# Altium PCB 190909 PCB (INITIAL).PcbDoc (part 1 of 2)
Units mil, origin at the board's own origin, x right, y up, seen from the top; angles counter-clockwise.
Board outline 5629.92 x 3740.16 mil, 4 copper layers (Top Layer, Int1 (GND), Int2 (PWR), Bottom Layer), stack 53.912 mil thick; 160 components, 136 nets, 615 pads, 194 vias.
Unrouted connection lines stored in the file: 73.
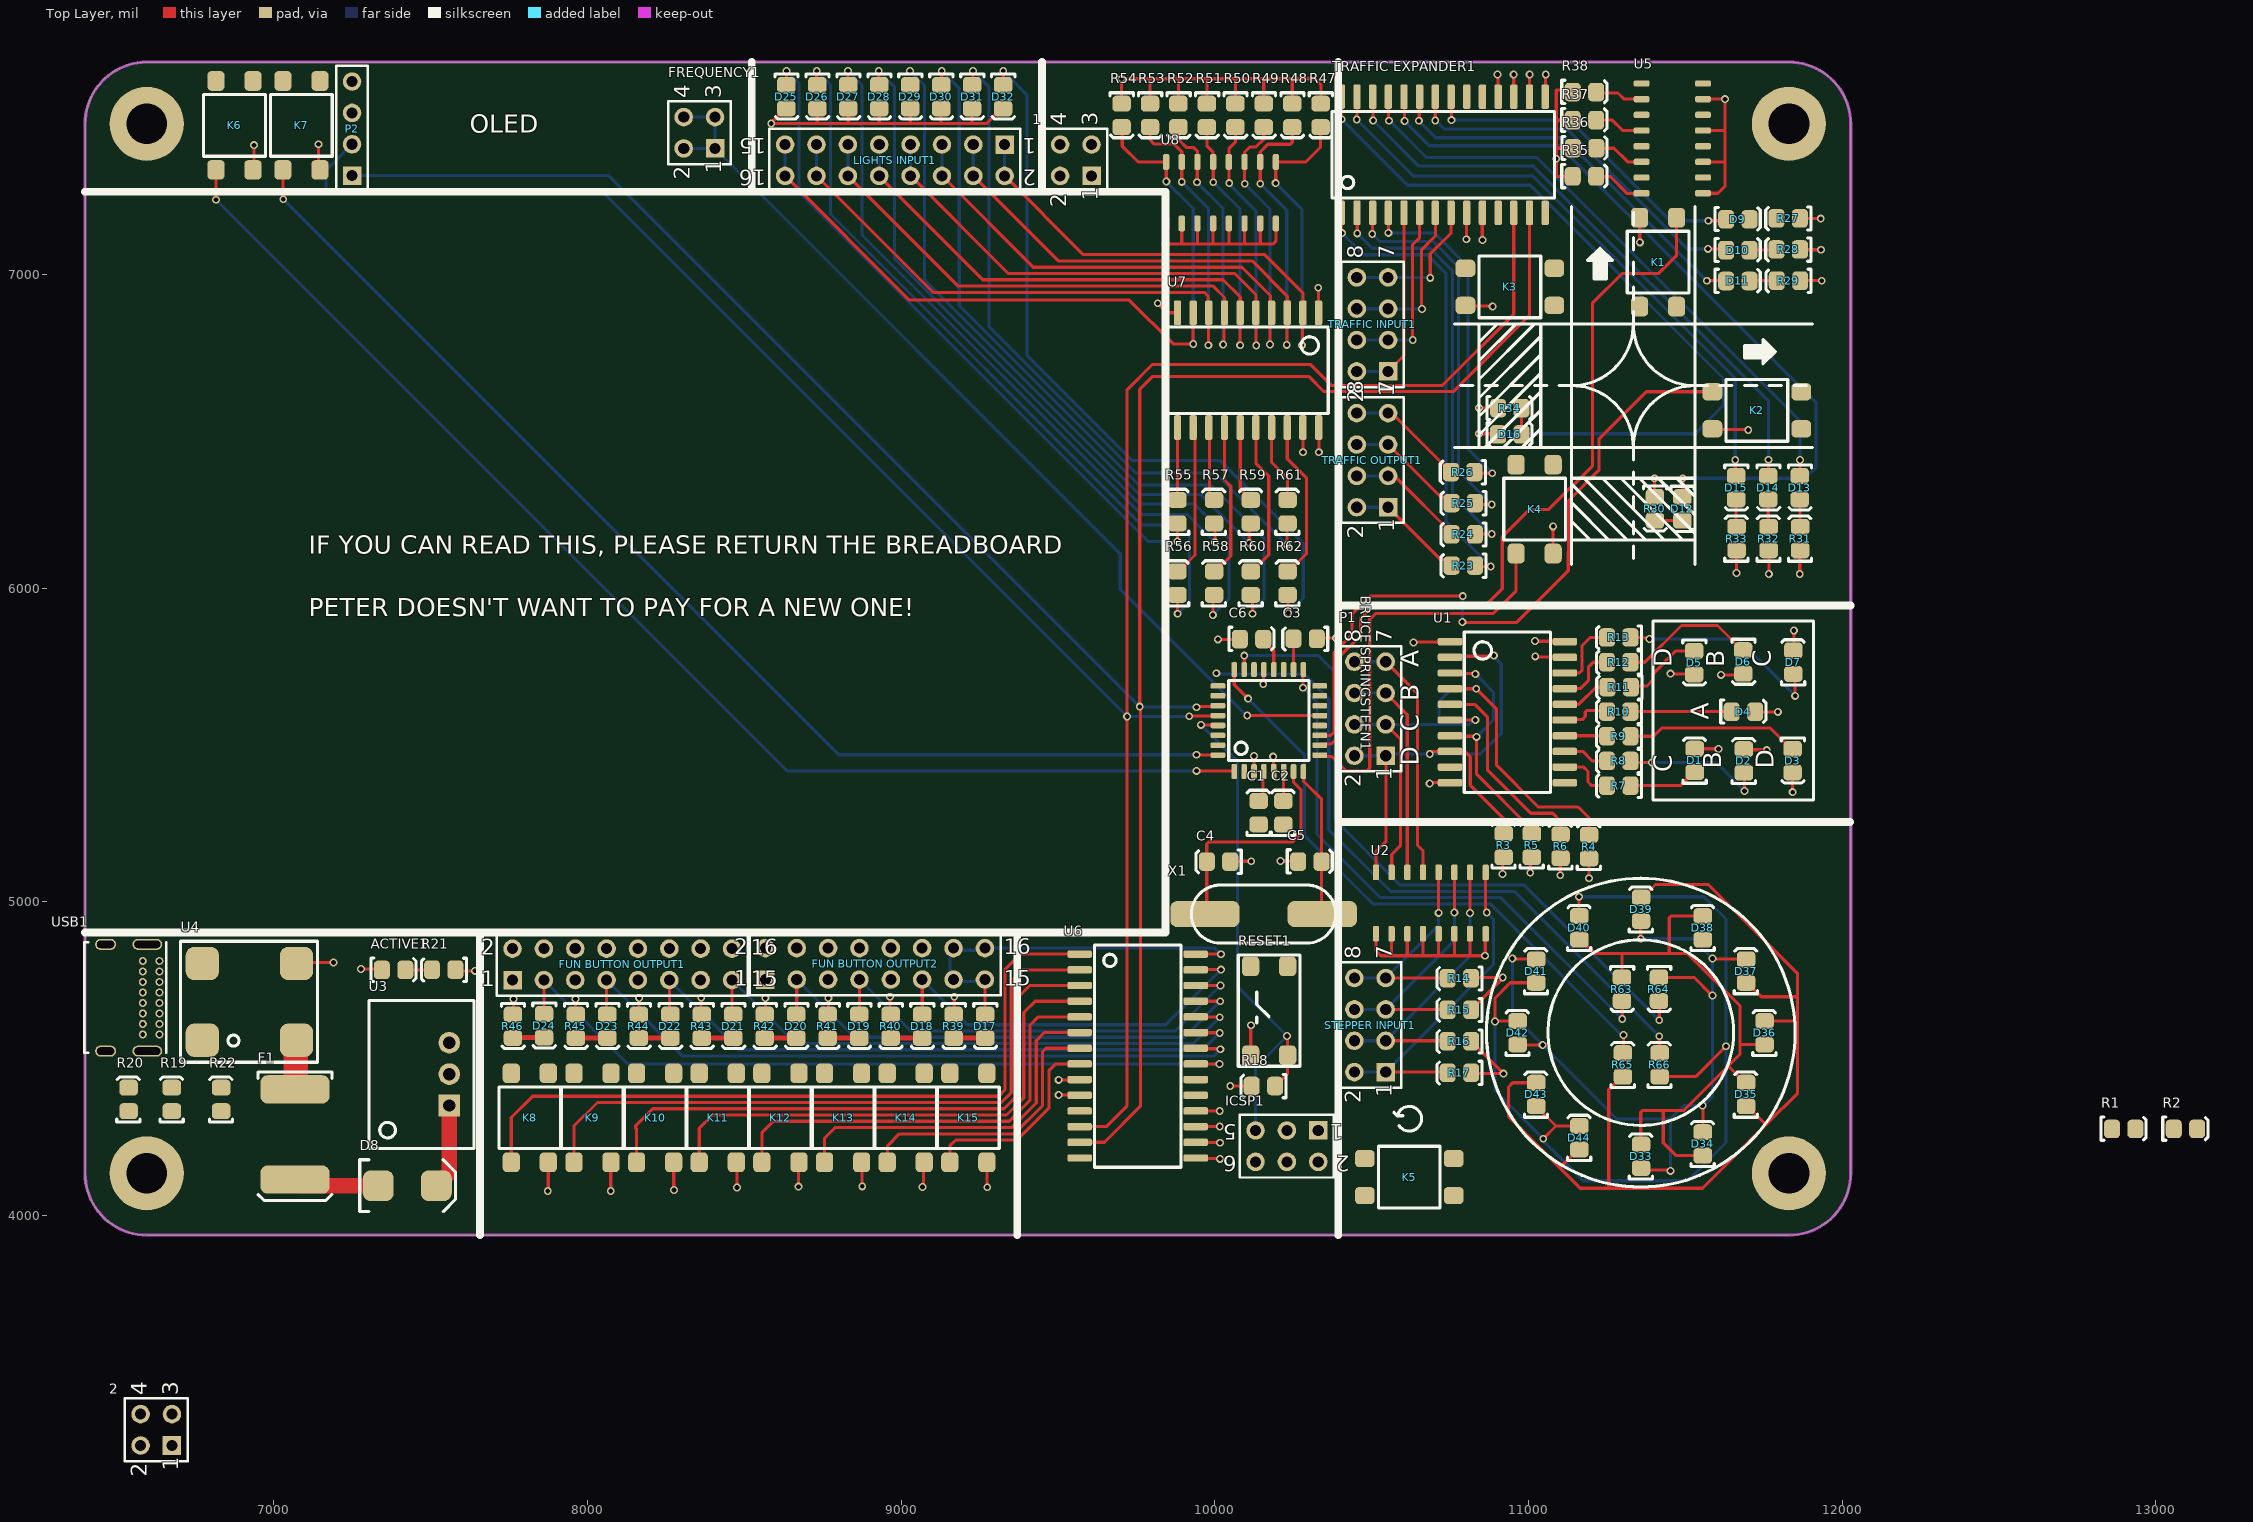
[diagram p0: Top Layer view]
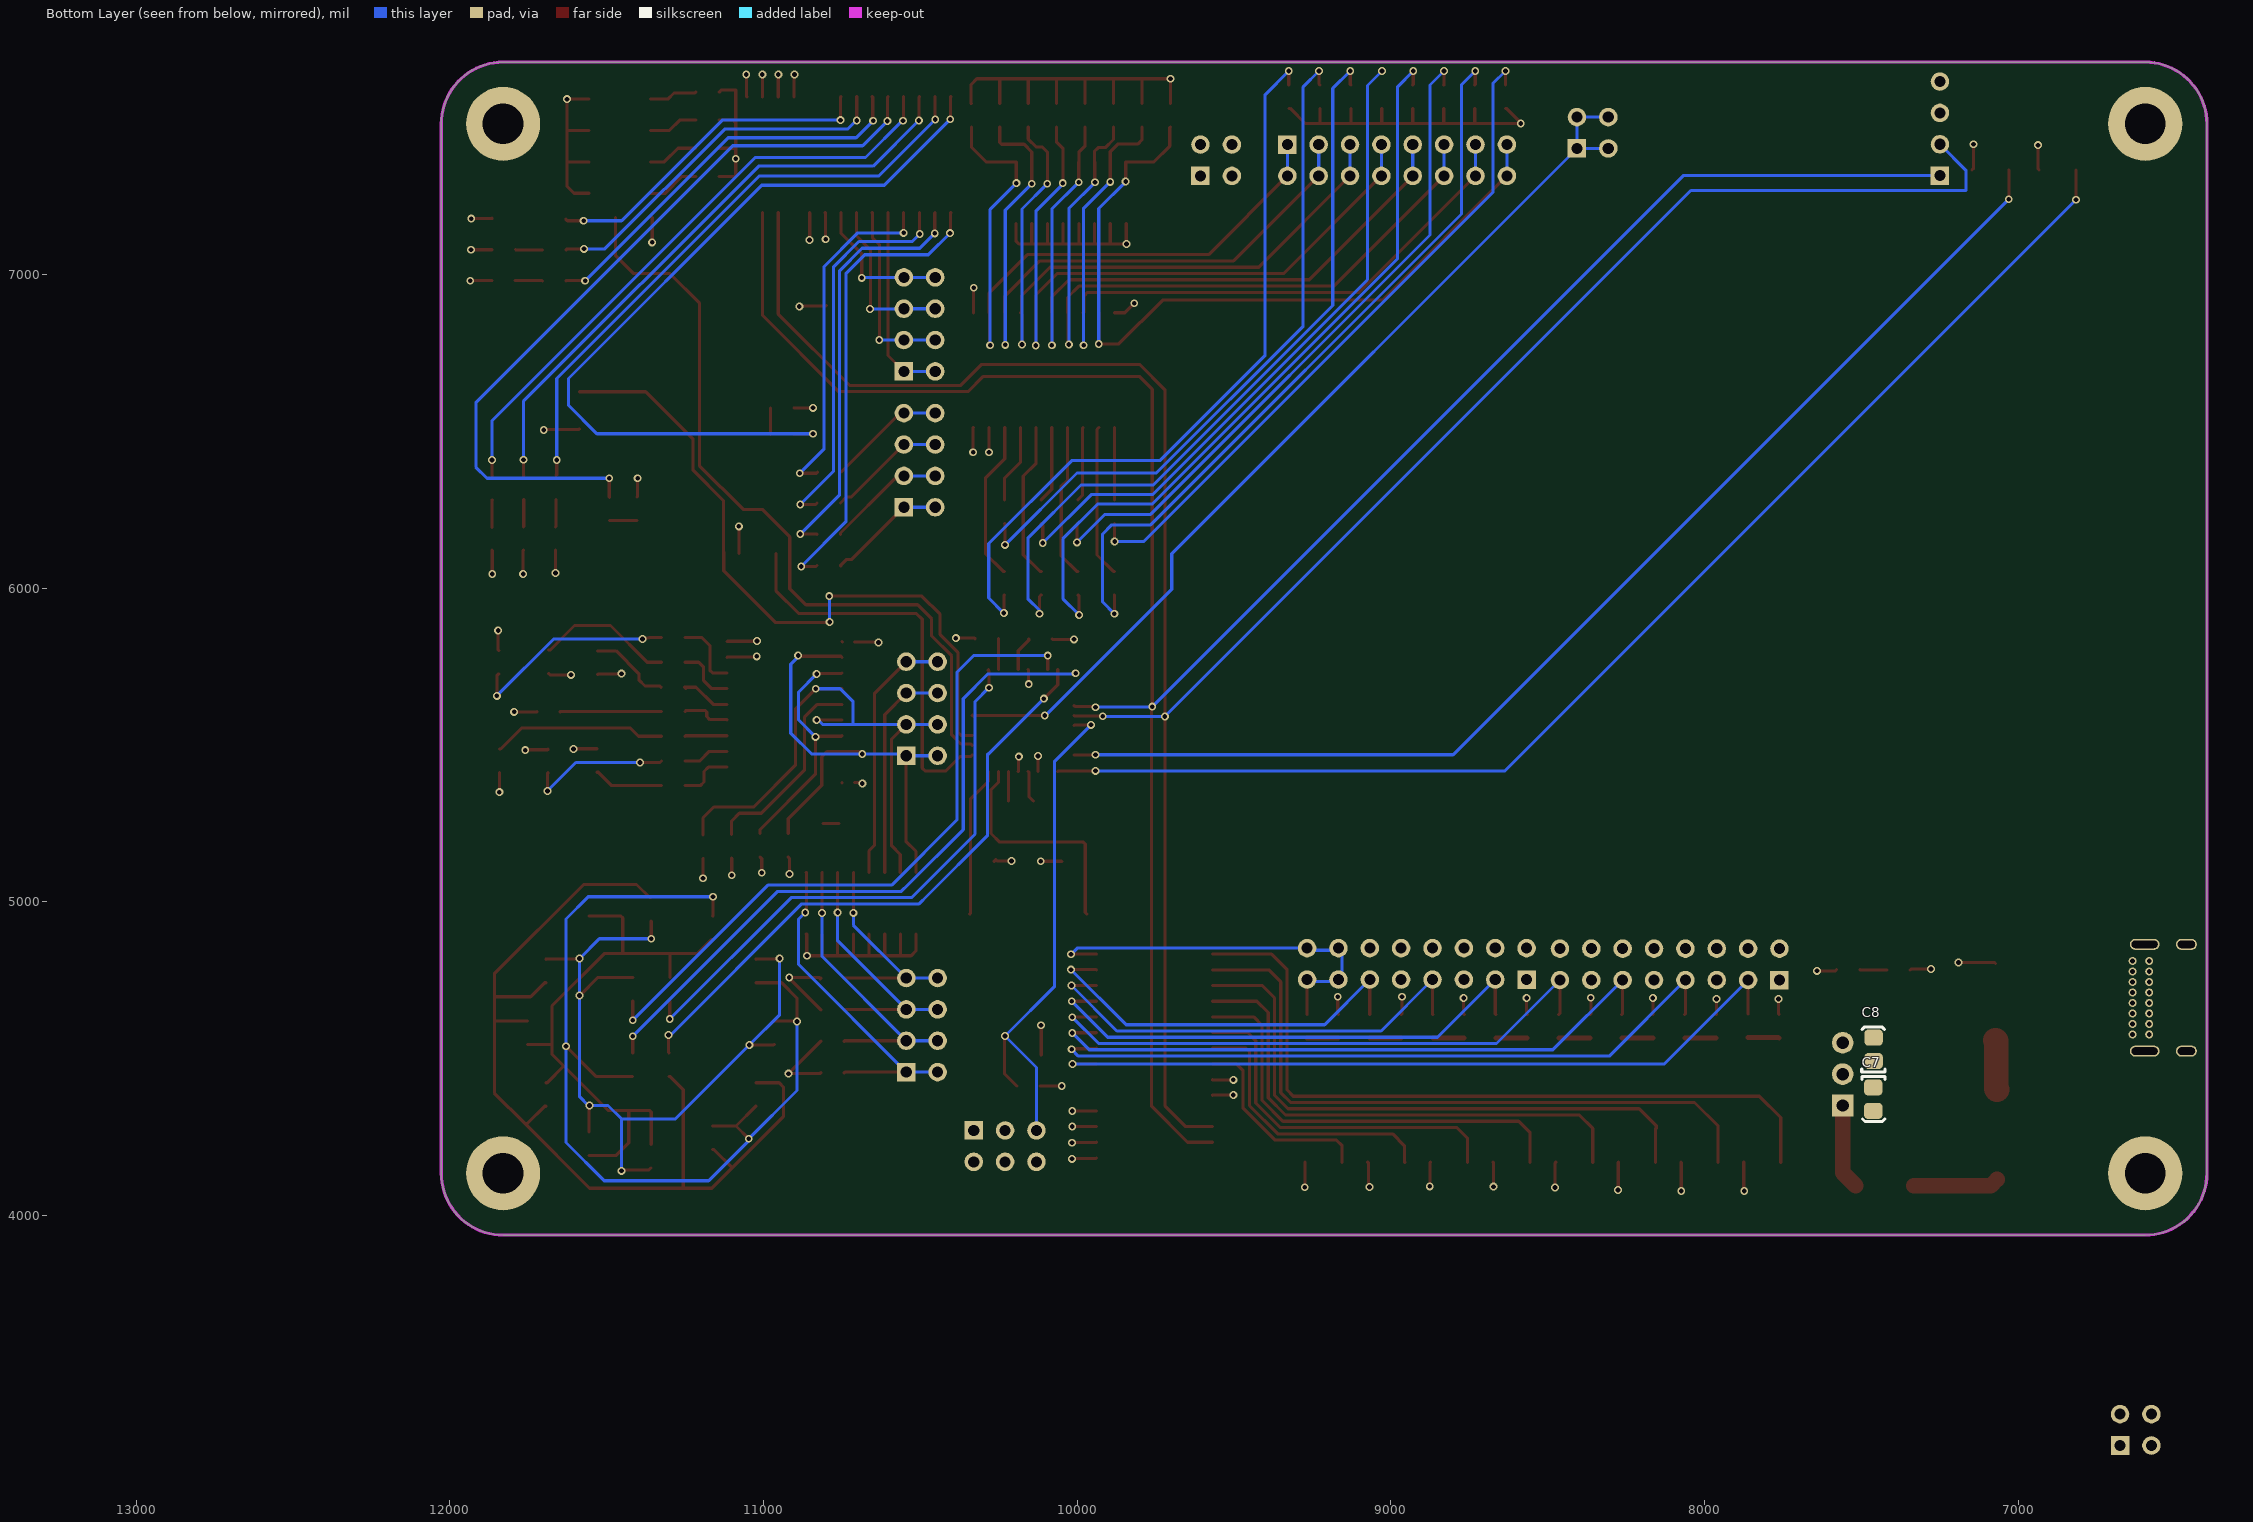
[diagram p1: Bottom Layer view, seen from below]
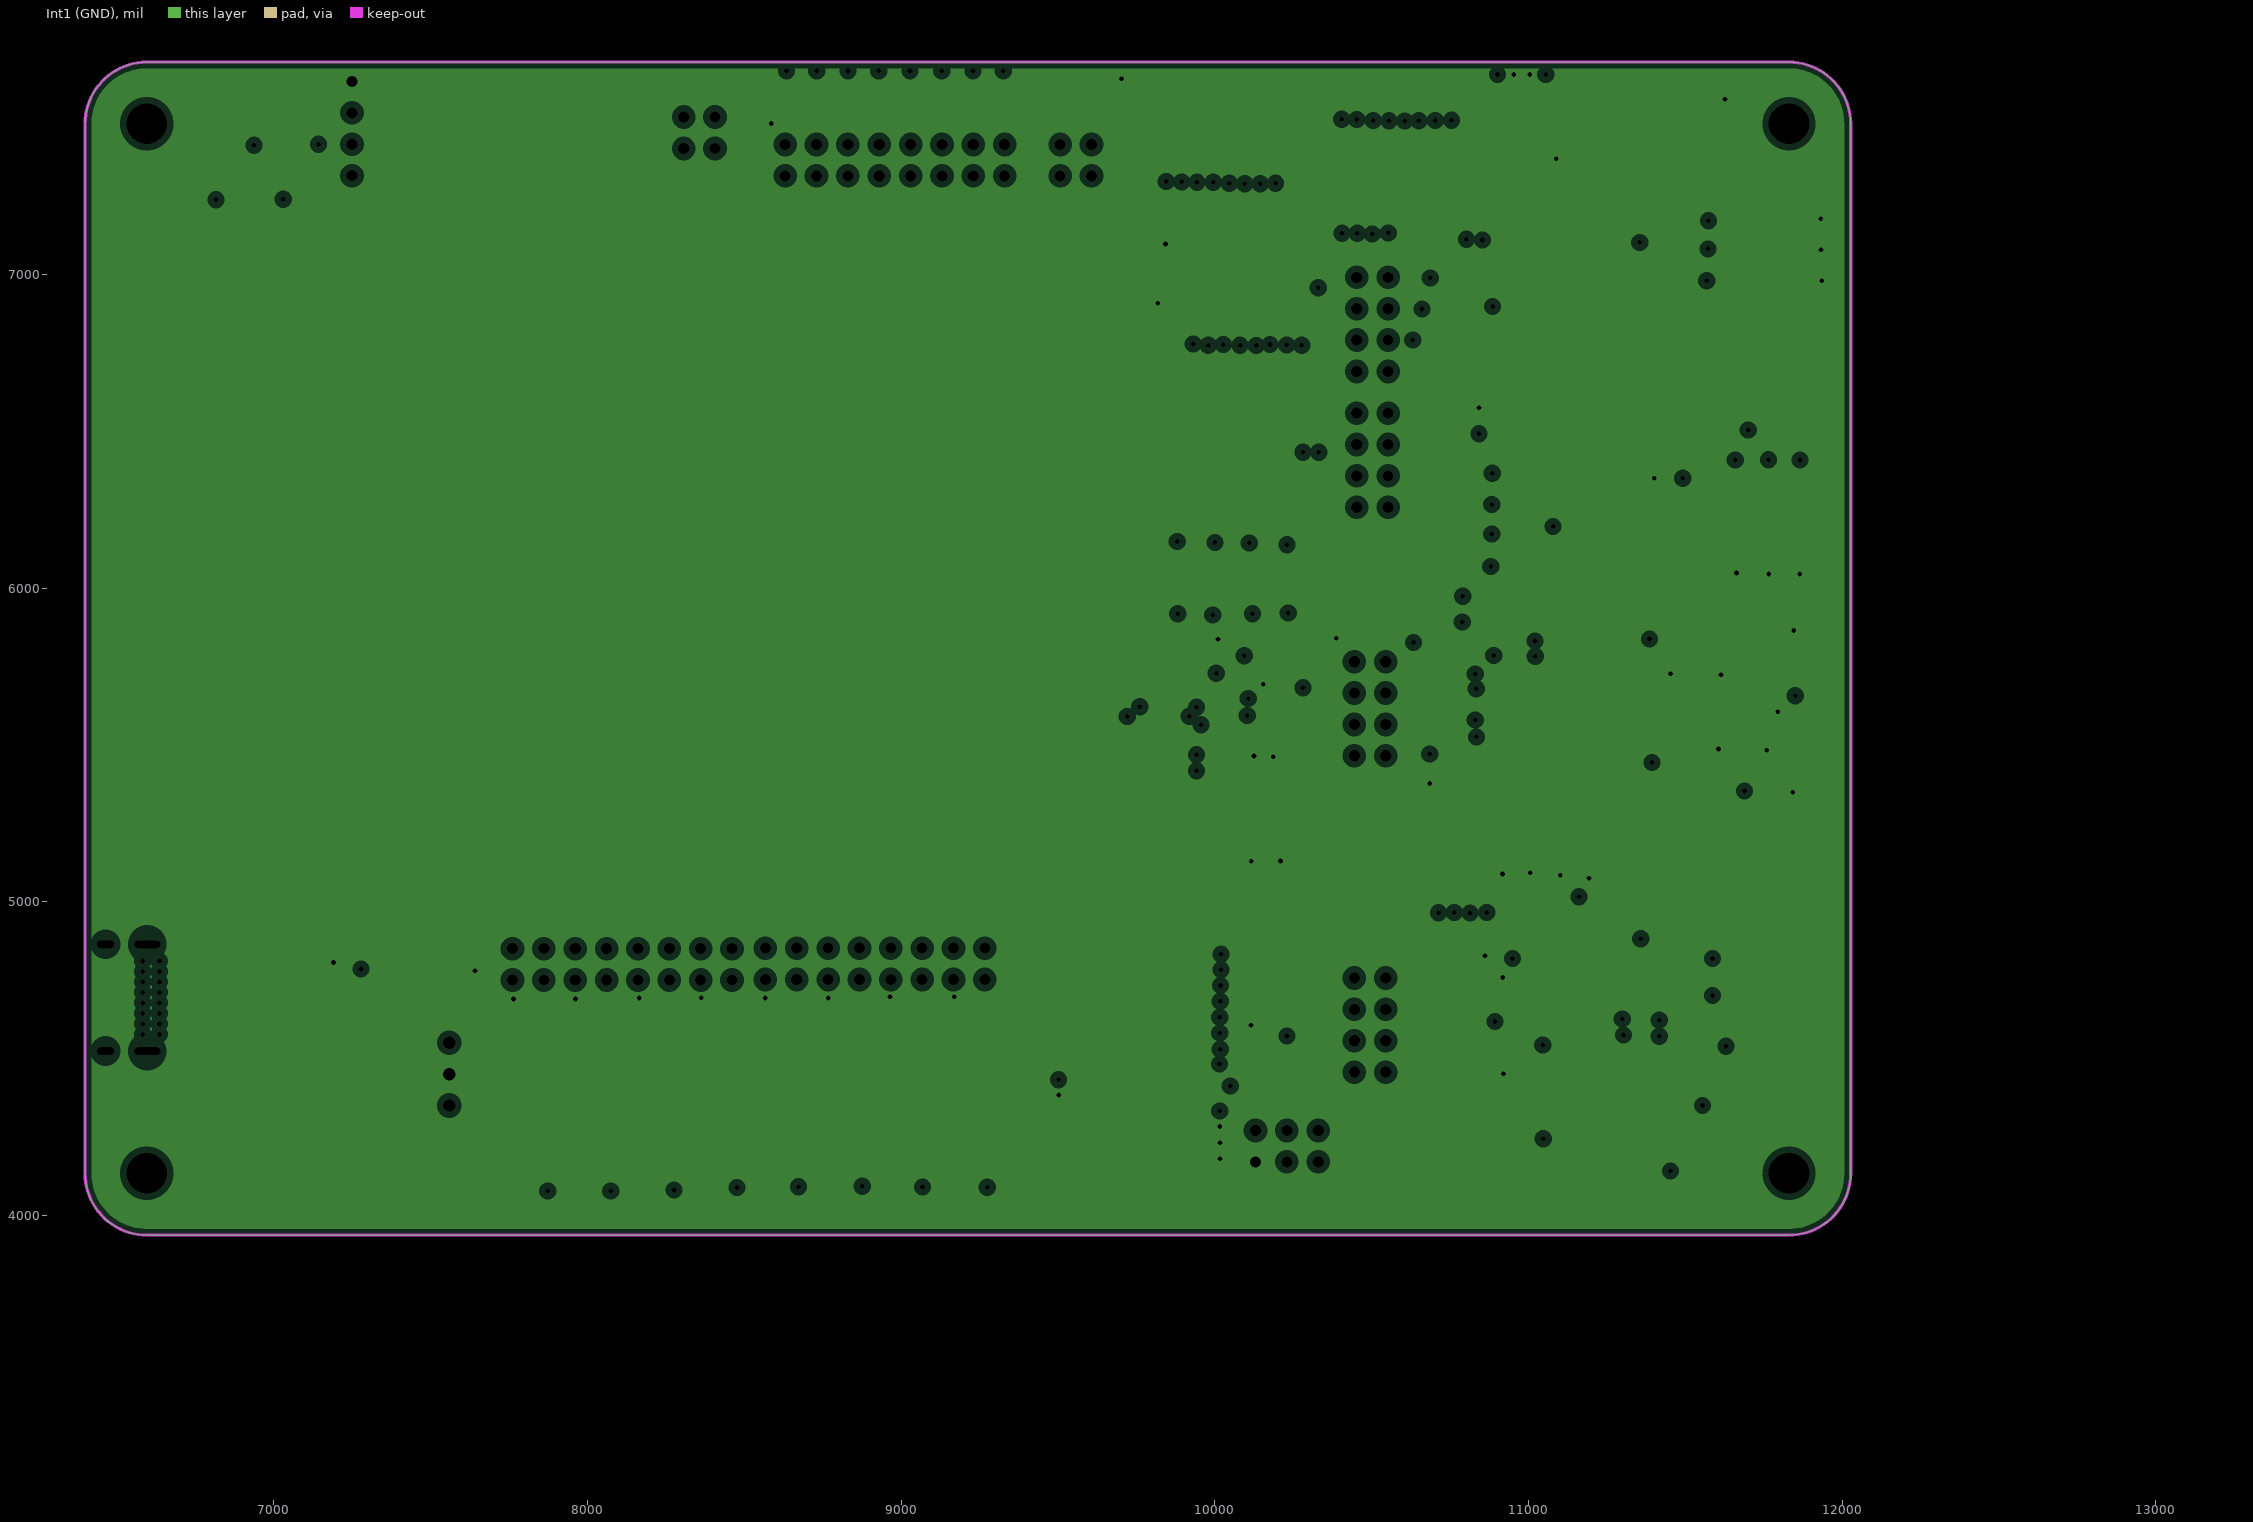
[diagram p2: Int1 (GND), clearances drawn from the general rule]
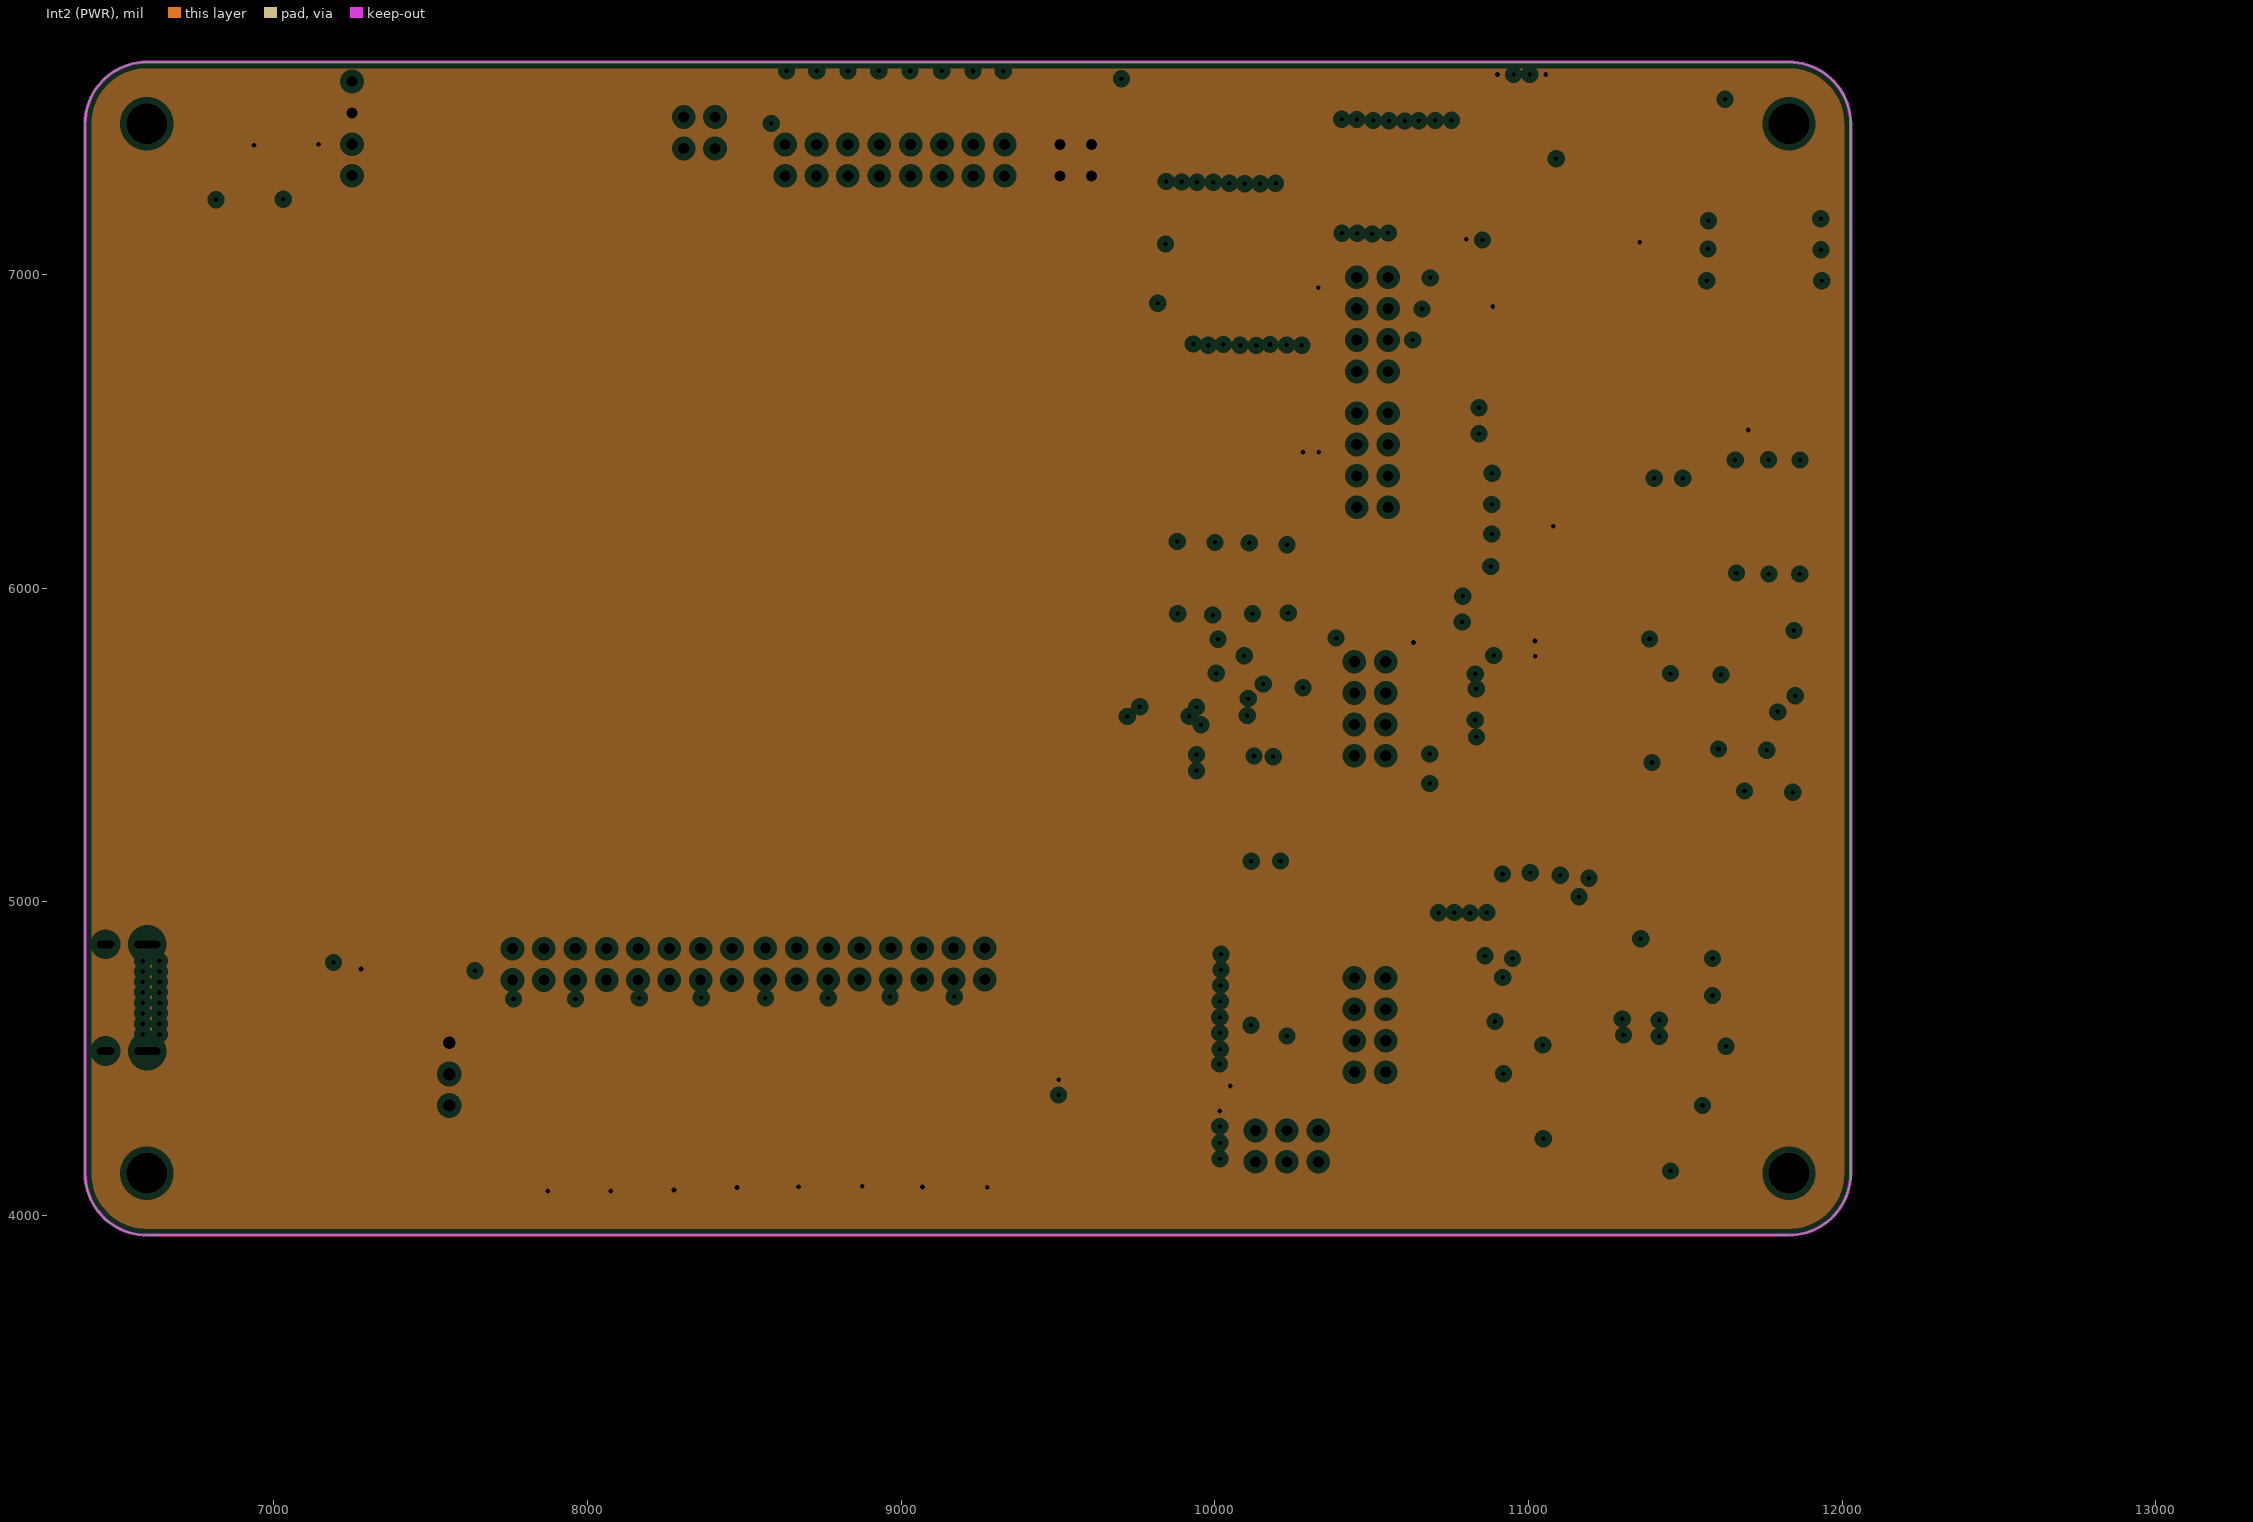
[diagram p3: Int2 (PWR), clearances drawn from the general rule]
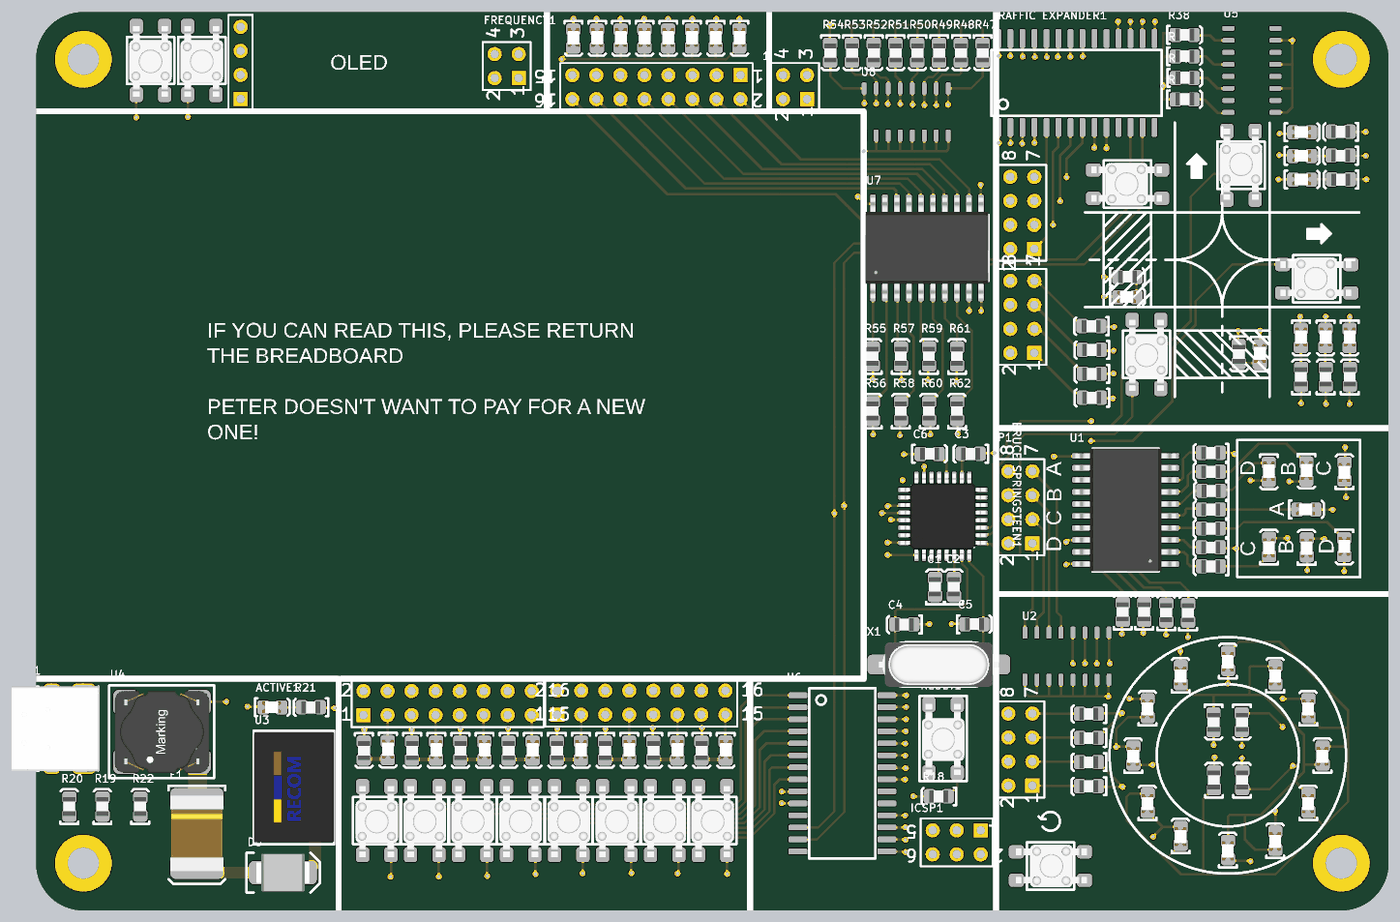
[diagram p5: 3D render of the assembled board from above, using the file's embedded part models]

## Layer stack, top to bottom
Top Solder: solder mask 1, SM-001, Dk 4
Top Layer: signal copper 1.3779
Dielectric 1: prepreg 5.1, PP-017, Dk 4.3
Dielectric 2: prepreg 5.1, PP-017, Dk 4.3
Int1 (GND): plane copper 1.3779, net 0V
Dielectric 3: core 28, Core-039, Dk 4.8
Int2 (PWR): plane copper 1.3779, net 3.3V
Dielectric 4: prepreg 5.1, PP-017, Dk 4.3
Dielectric 5: prepreg 5.1, PP-017, Dk 4.3
Bottom Layer: signal copper 1.3779
Bottom Solder: solder mask 1, SM-001, Dk 4

## Board outline
6397.64,4133.86 ccw(c6594.49,4133.86) 6594.49,3937.01 11830.71,3937.01 ccw(c11830.71,4133.86) 12027.56,4133.86 12027.56,7480.31 ccw(c11830.71,7480.31) 11830.71,7677.17 6594.49,7677.16 6594.49,7677.17 ccw(c6594.49,7480.31) 6397.64,7480.31

## Design rules (kind name [scope] priority, off if disabled: settings)
Clearance [All] p1: gap=10 ignorepadtopadclearanceinfootprint=FALSE except(0: Arc-Hole Track-Hole SMDPad-Hole THPad-Hole Via-Hole Fill-Hole Poly-Hole Region-Hole Text-Hole; 23.62: Arc-Poly Track-Poly SMDPad-Poly THPad-Poly Via-Poly Fill-Poly Poly-Poly)
PlaneClearance [All] p1: clearance=20
PlaneConnect [All] p1: planeconnectstyle=Relief reliefexpansion=20 reliefentries=4 reliefconductorwidth=10 reliefairgap=10
PolygonConnect [All] p1: connectstyle=Relief reliefconductorwidth=10 reliefentries=4 polygonreliefangle="90 Angle" airgapwidth=10
RoutingVias [All] p1: holewidth=15 width=25 viastyle="Through Hole" minholewidth=10 minwidth=25 maxholewidth=25 maxwidth=50
SolderMaskExpansion [All] p1: expansion=4
Width [All] p1: maxlimit=100 minlimit=10 preferedwidth=15 minimp=50.000000 maximp=50.000000 favimp=50.000000
28 further rules are at their usual default settings.

## Classes and differential pairs
component class "U_The Lights": D25 D26 D27 D28 D29 D30 D31 D32 "LIGHTS INPUT1" R47 R48 R49 R50 R51 R52 R53 R54 R55 R56 R57 R58 R59 R60 R61 R62 U7 U8
component class "U_The Fun Buttons' Friends": D17 D18 D19 D20 D21 D22 D23 D24 "FUN BUTTON OUTPUT1" "FUN BUTTON OUTPUT2" K8 K9 K10 K11 K12 K13 K14 K15 R39 R40 R41 R42 R43 R44 R45 R46 U6
component class "U_Stepper Motor": D33 D34 D35 D36 D37 D38 D39 D40 D41 D42 D43 D44 R63 R64 R65 R66
component class "U_Dice Module": D1 D2 D3 D4 D5 D6 D7 P1 R3 R4 R5 R6 R7 R8 R9 R10 R11 R12 R13 U1 U2
component class "U_Traffic Intersection": D9 D10 D11 D12 D13 D14 D15 D16 R23 R24 R25 R26 R27 R28 R29 R30 R31 R32 R33 R34 R35 R36 R37 R38 "TRAFFIC EXPANDER1" "TRAFFIC INPUT1" "TRAFFIC OUTPUT1" U5
component class "U_Power Supply (Alternate)": 1 2 ACTIVE1 C7 C8 D8 F1 R19 R20 R21 R22 U3 U4 USB1
component class U_Microcontroller: "BRUCE SPRINGSTEEN1" C1 C2 C3 C4 C5 C6 ICSP1 R18 RESET1 X1
component class "U_Input Pins": R14 R15 R16 R17 "STEPPER INPUT1"
component class "U_Input Buttons": K1 K2 K3 K4 K5 K6 K7
component class "190822 Top Level": FREQUENCY1 R1 R2
